# Altium PCB CL-HC-M-V2.1.PcbDoc (part 11 of 19) (continued)
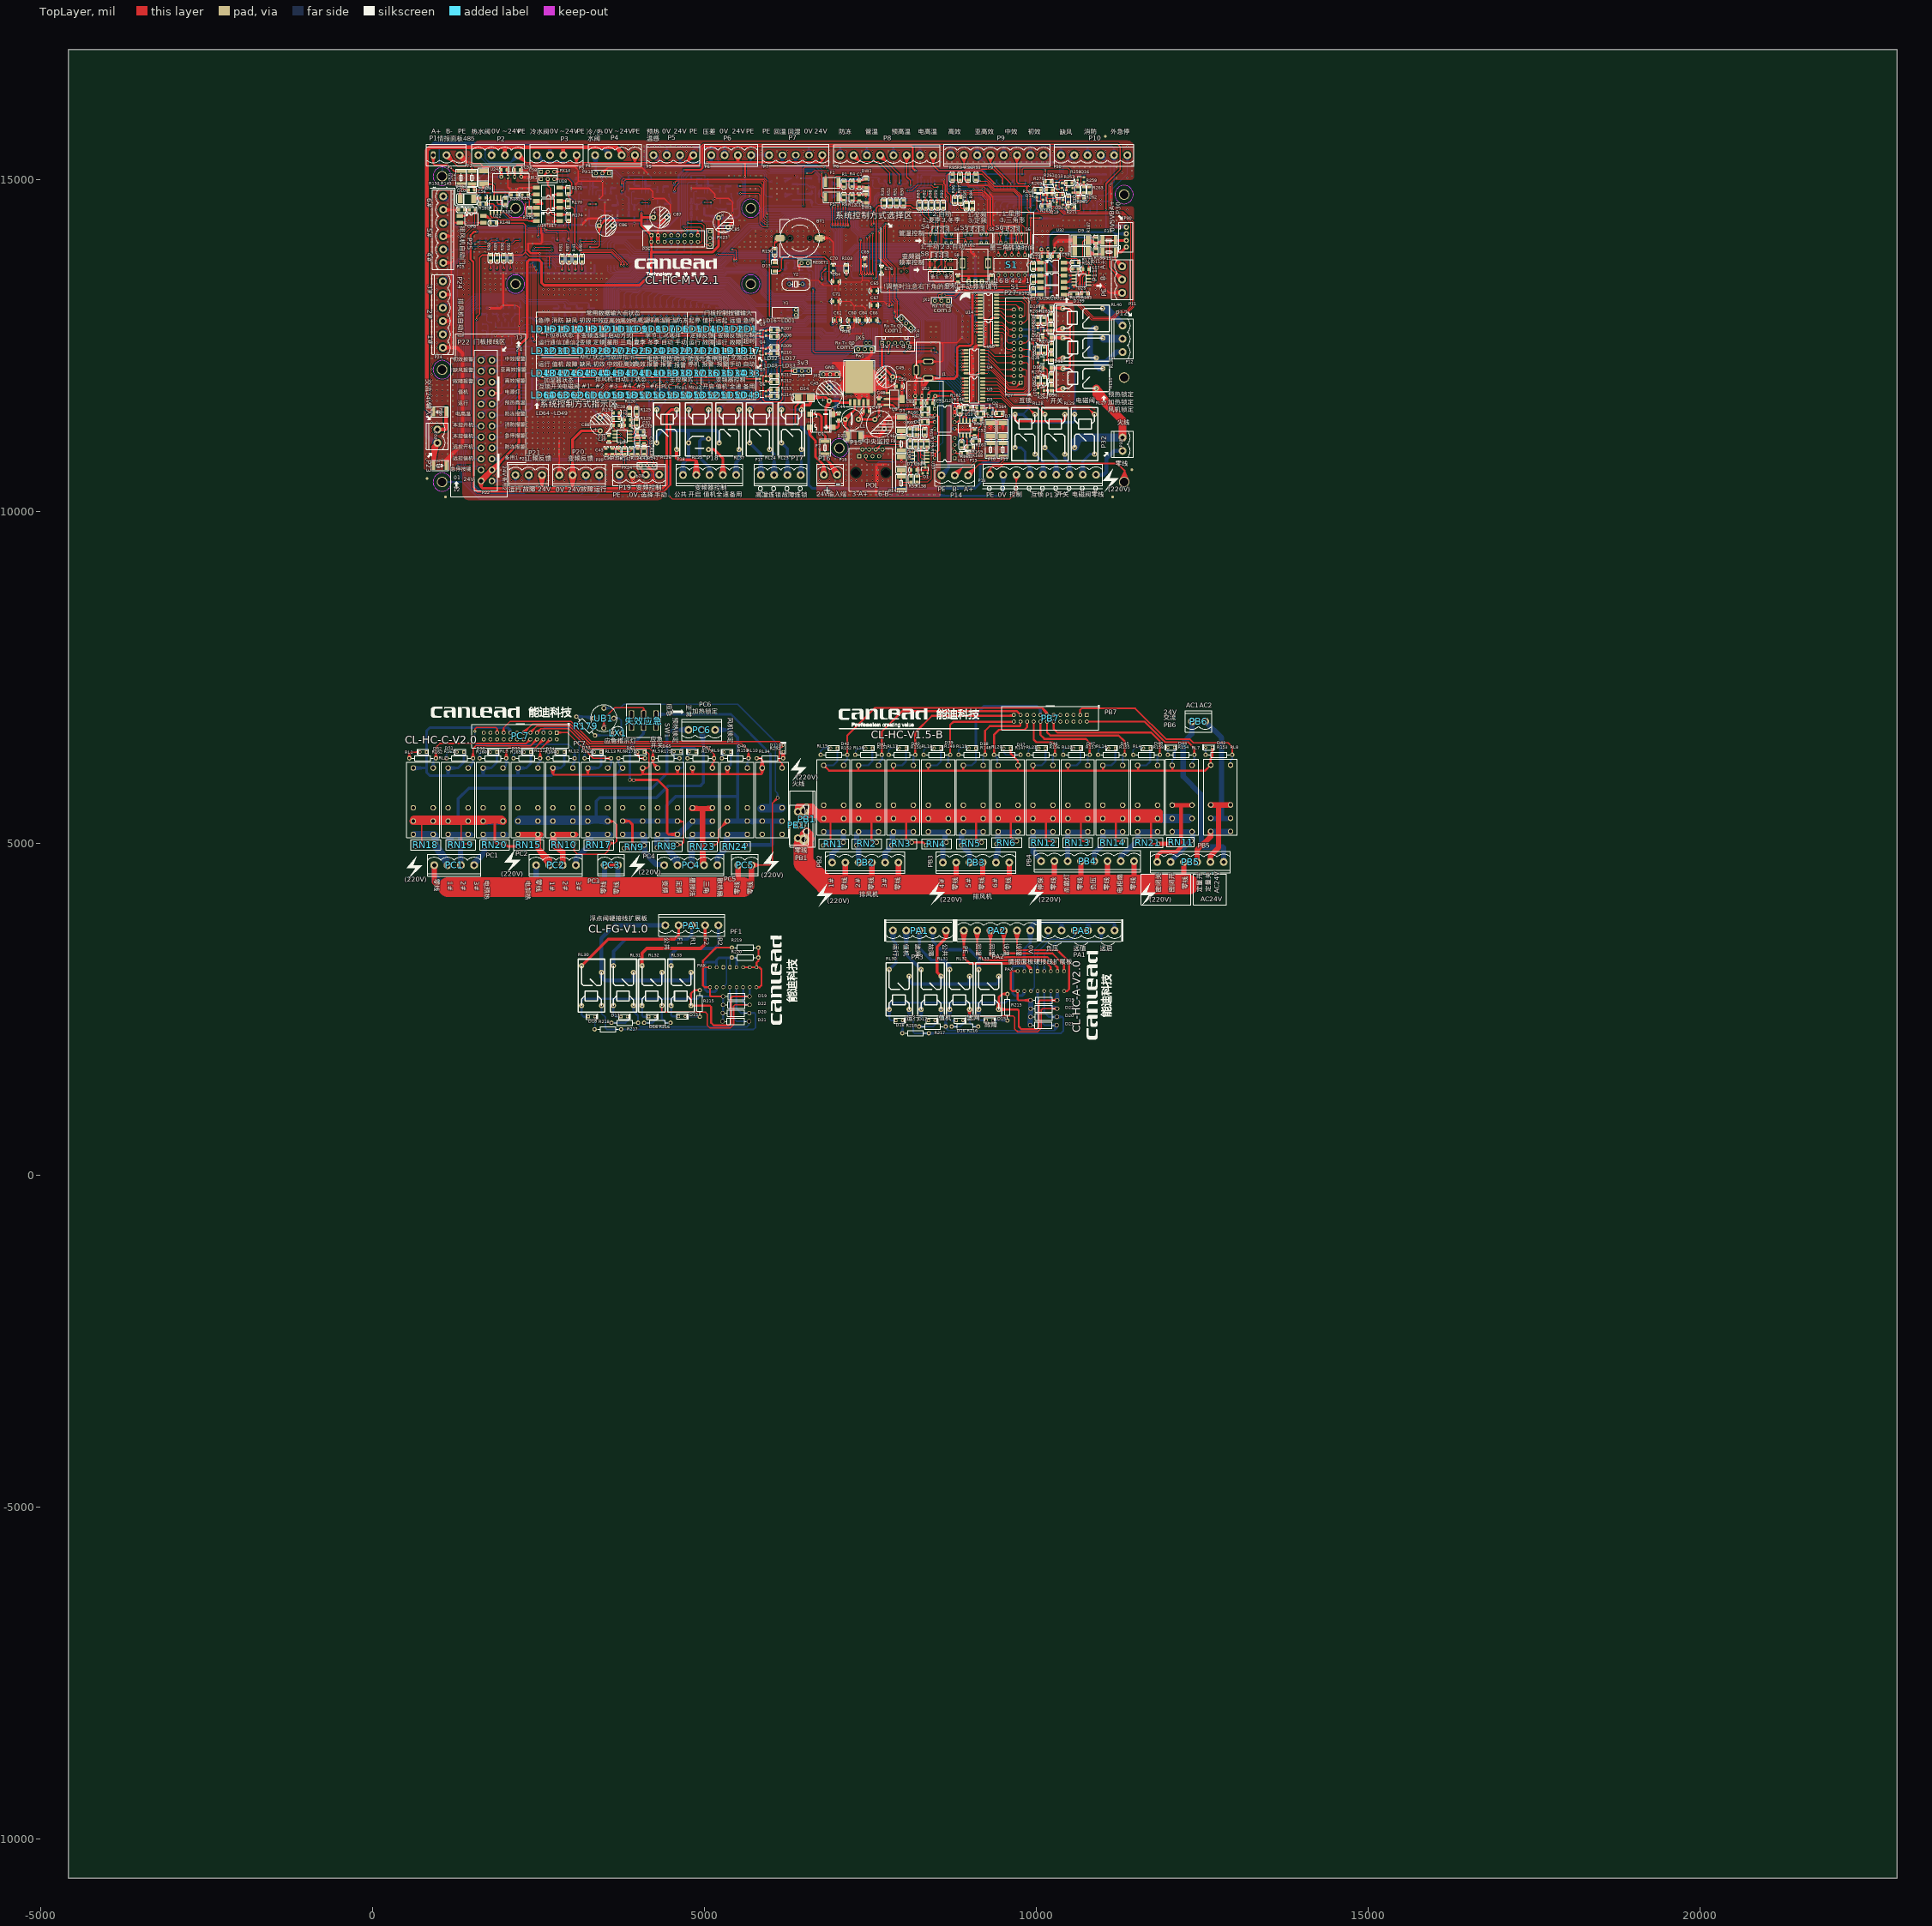
[diagram p0: TopLayer view]
## Nets (pads, with @x,y where several pads share a name; then routed paths per layer and width w, separated by ;. In a path a pad name is that pad's centre, name@x,y a point inside that pad or via, vN(x,y) a via of type N, cw(c..) or ccw(c..) an arc to the next point about the centre after c; other vN are vias at no path point) (continued)
; v1(9414.55,14484.74) v1(9451.13,14465.98) ; v1@9417.38,14483.36 9512.76,14483.36 ; v1@9417.38,14483.36 v1(9451.13,14465.98) ; v1(9451.13,14465.98) 9512.76,14483.36 ; 9451.13,15244.03 9931.13,15244.03 ; 9451.13,15244.03 v1(9451.13,15265.98) ; 9451.13,15244.03 v1(9451.13,15265.98) ; 9451.13,15244.03 v1(9451.13,15265.98) ; 9451.13,15244.03 v1(9531.13,15265.98) ; v1(9451.13,15265.98) 9535.9,15244.03 v1(9531.13,15265.98) ; v1(9451.13,15265.98) v1(9531.13,15265.98) ; 9512.76,14483.36 9691.13,14483.36 ; 9512.76,14483.36 v1(9531.13,14465.98) ; v1(9531.13,14465.98) 9611.45,14483.36 v1(9611.13,14465.98) ; v1(9531.13,14465.98) v1(9611.13,14465.98) ; v1(9531.13,15265.98) 9615.8,15244.03 v1(9611.13,15265.98) ; v1(9531.13,15265.98) v1(9611.13,15265.98) ; v1(9611.13,14465.98) 9612.76,14535.04 9612.76,14483.74 ; v1(9611.13,14465.98) 9612.76,14483.74 ; v1(9611.13,14465.98) 9612.76,14483.74 ; v1(9611.13,14465.98) 9690.4,14483.36 v1(9691.13,14465.98) ; v1(9611.13,14465.98) v1(9691.13,14465.98) ; v1(9691.13,14465.98) 9712.76,14493.9 ; v1(9691.13,14465.98) 9702.22,14483.36 ; v1(9691.13,14465.98) 9743.01,14483.36 ; v1(9691.13,14465.98) 9702.22,14483.36 ; v1(9691.13,14465.98) 9702.22,14483.36 ; v1(9691.13,14465.98) 9691.13,14483.36 ; v1(9691.13,14465.98) 9691.13,14483.36 ; 9691.13,14483.36 9702.22,14483.36 ; 9702.22,14483.36 9712.76,14493.9 ; 9702.22,14483.36 9743.01,14483.36 ; 9743.01,14483.36 9749.28,14489.63 ; v1(9771.13,15265.98) 9854.92,15244.03 v1(9851.13,15265.98) ; v1(9771.13,15265.98) v1(9851.13,15265.98) ; v1(9851.13,15265.98) 9931.13,15244.03 ; v1(9851.13,15265.98) v1(9931.13,15265.98) ; 9931.13,15244.03 10011.13,15244.03 ; 9931.13,15244.03 v1(9931.13,15265.98) ; 9931.13,15244.03 v1(9931.13,15265.98) ; 9931.13,15244.03 v1(9931.13,15265.98) ; 9931.13,15244.03 v1(10011.13,15265.98) ; v1(9931.13,15265.98) 10011.13,15244.03 ; v1(9931.13,15265.98) v1(10011.13,15265.98) ; 10011.13,15244.03 10290.85,15244.03 ; 10011.13,15244.03 v1(10011.13,15265.98) ; 10011.13,15244.03 v1(10011.13,15265.98) ; 10011.13,15244.03 v1(10011.13,15265.98) ; 10011.13,15244.03 v1(10091.13,15265.98) ; v1(10011.13,15265.98) 10095.55,15244.03 v1(10091.13,15265.98) ; v1(10011.13,15265.98) v1(10091.13,15265.98) ; 10028.13,12081.57 v1(10028.13,12182.72) ; 10028.13,12081.57 v1(10011.13,12145.98) v1(10028.13,12182.72) ; v1(10091.13,15265.98) 10175.21,15244.03 v1(10171.13,15265.98) ; v1(10091.13,15265.98) v1(10171.13,15265.98) ; v1(10171.13,15265.98) 10254.43,15244.03 v1(10251.13,15265.98) ; v1(10171.13,15265.98) v1(10251.13,15265.98) ; v1(10251.13,15265.98) 10290.85,15244.03 ; 10290.85,15244.03 10351.61,15183.27 10351.61,14926.53 ; 10613.86,14500.39 10625.9,14488.36 10896.22,14488.36 10913.86,14506 ; 10913.86,14506 OP1.9@10913.86,14573.5 10913.86,14668.85 ; 10913.86,14668.85 10922.16,14677.15 11104.36,14677.15 11115.41,14666.1 ; v1(11115.41,14574.45) 11115.41,14279.08 v1(11131.13,14305.98) ; v1(11115.41,14574.45) 11115.41,14666.1 ; v1(11115.41,14574.45) v1(11131.13,14625.98) 11115.41,14666.1 ; v1(11131.13,14305.98) 11115.41,14385.5 v1(11131.13,14385.98) ; v1(11131.13,14305.98) v1(11131.13,14385.98) ; 11173.71,14968.46 P10.5@11173.71,15369.03 11173.71,15470.33 ; 11173.71,14968.46 v1(11115.41,14910.16) v1(11131.13,14945.98) 11173.71,14968.46
  BottomLayer w30: OP5.15@1827.76,13670.04 1827.76,13607.11 ; OP5.15@1827.76,13700.04 1827.76,13607.11 ; OP5.13@1927.76,13689.39 v1(1931.13,13585.98) ; OP5.13@1927.76,13700.04 1927.76,13593.99 1927.76,13670.04 v1(1931.13,13585.98) ; 1987.98,13590.55 v1(2091.13,13585.98) ; 1988.65,13591.83 v1(2091.13,13585.98) ; OP5.11@2027.76,13695.36 v1(2011.13,13585.98) ; OP5.11@2027.76,13700.04 2027.76,13597.11 ; OP5.9@2127.76,13670.04 2127.76,13593.99 ; OP5.9@2127.76,13700.04 2127.76,13593.99 ; R157.2@2142.5,13065.24 v1(2142.5,13106.58) ; 2146.71,13593.99 v1(2251.13,13585.98) 2355.78,13593.99 ; U2.8@2362.38,12920.5 2411.24,12920.5 ; 2465.23,11708.7 v1(2491.13,11825.98) ; 2465.23,11783.84 v1(2491.13,11665.98) 2465.23,11630.17 ; 2465.23,11868.03 v1(2491.13,11985.98) ; 2465.23,11942.94 v1(2491.13,11825.98) ; v1@2482.38,12870.5 2587.38,12870.5 v1(2491.13,12865.98) ; 2521.01,13788.36 v1(2521.01,13890.86) 2521.01,13725.79 ; U25.8@2532.38,11616.61 2478.79,11616.61 ; U8.8@2532.38,12086.08 2477.61,12086.08 ; 2546.69,13593.99 v1(2651.13,13585.98) ; U25.8@2557.38,11616.61 2478.79,11616.61 ; U8.8@2557.38,12086.08 2477.61,12086.08 ; U28.15@2567.69,13738.36 2533.58,13738.36 ; U28.15@2592.69,13738.36 2533.58,13738.36 ; U2.10@2594,12870.5 v1(2491.13,12865.98) ; 2626.54,13593.99 v1(2731.13,13585.98) ; U2.10@2628,12870.5 v1(2731.13,12865.98) ; R255.2@2717.76,12973.25 v1(2731.13,12865.98) ; v1(2725.75,14374.76) 2725.75,14333.2 ; 2783.09,14320.16 v1(2891.13,14305.98) ; 2786.62,13593.99 v1(2891.13,13585.98) ; 2805.3,12788.15 v1(2731.13,12865.98) ; R254.2@2902.76,12980.04 2927.06,12922.96 ; OP4.15@2902.76,13670.04 2902.76,13611.28 OP4.15@2902.76,13700.04 ; OP7.2@2927.06,12825.09 2927.06,12773.81 OP7.2@2927.06,12855.09 2927.06,12922.96 ; OP7.2@2927.06,12885.09 2927.06,12922.96 ; 2946.62,13593.99 v1(3051.13,13585.98) ; 2999.53,14320.16 v1(2891.13,14305.98) ; OP4.13@3002.76,13670.04 3002.76,13611.28 OP4.13@3002.76,13700.04 ; OP7.4@3027.06,12825.09 3027.06,12772.37 OP7.4@3027.06,12855.09 ; OP4.11@3102.76,13670.04 3102.76,13611.28 OP4.11@3102.76,13700.04 ; OP7.6@3127.06,12825.09 3127.06,12788.34 OP7.6@3127.06,12855.09 3127.06,12926.84 ; OP7.6@3127.06,12885.09 3127.06,12926.84 ; C22.2@3152.74,14412.71 v1(3152.74,14320.16) ; C22.2@3152.74,14417.71 v1(3152.74,14320.16) ; R253.2@3162.76,12980.04 3127.06,12926.84 ; R253.2@3167.76,12980.04 3167.76,12967.54 3127.06,12926.84 ; 3186.62,13593.99 v1(3291.13,13585.98) ; OP4.9@3201.36,13691.19 v1(3211.13,13585.98) ; OP4.9@3201.36,13696.33 3201.36,13607.57 ; OP7.8@3227.06,12825.09 3185.31,12771.07 ; U26.8@3342.74,13685.04 3342.74,13603.17 ; U26.8@3342.74,13710.04 3342.74,13603.17 ; C19.1@3347.74,14417.71 v1(3445.29,14417.71) 3692.58,14417.71 ; 3347.76,12926.3 3298.27,12926.3 OP7.8@3227.06,12855.09 3227.06,12812.83 3185.31,12771.07 ; 3583.1,14417.71 v1(3692.74,14433.66) ; C86.2@3610.26,14329.94 3687.53,14341.02 ; C86.2@3631.45,14286.72 3687.53,14341.02 ; C24.2@3946.15,14433.57 v1(3946.15,14341.02) ; C24.2@3946.15,14438.57 v1(3946.15,14341.02) ; C20.1@4141.15,14433.57 4141.15,14341.02 ; C20.1@4141.15,14438.57 4141.15,14341.02 ; C87.2@4413.59,14447.41 4341.51,14341.02 ; C87.2@4447.9,14413.1 4341.51,14341.02 ; v1(6428.19,13637.37) C80.2@6477.64,13637.37 ; 7636.55,10237.6 v1(7746.22,10254.24) ; 7696.01,10237.6 v1(7586.22,10254.24) ; OP3.15@7712.38,14577.24 7712.38,14530.65 ; OP3.15@7712.38,14607.24 7712.38,14530.65 ; OP3.13@7812.38,14577.24 7812.38,14510.36 ; OP3.13@7812.38,14607.24 7812.38,14510.36 ; 7876.1,10237.6 v1(7986.22,10254.24) ; OP3.11@7912.38,14577.24 7912.38,14509.83 ; OP3.11@7912.38,14607.24 7912.38,14509.83 ; 7936.94,10237.6 v1(7826.22,10254.24) ; 7955.92,10237.6 v1(8066.22,10254.24) ; OP3.9@8012.38,14577.24 8012.38,14507.33 ; OP3.9@8012.38,14607.24 8012.38,14507.33 ; 8115.75,10237.6 v1(8226.22,10254.24) ; 8173.5,14505.62 8014.08,14505.62 ; 8176.92,10237.6 v1(8066.22,10254.24) ; 8195.7,10237.6 v1(8306.22,10254.24) ; 8355.64,10237.6 v1(8466.22,10254.24) ; 8416.89,10237.6 v1(8306.22,10254.24) ; 8435.62,10237.6 v1(8546.22,10254.24) ; S4.2@8484.02,14050.08 S4.2@8484.02,14180 8484.02,14285.66 ; 8639.24,14115.47 8641.5,14113.21 ; S4.2@8641.5,14050.08 8641.5,14113.21 ; 8641.5,14200.76 v1(8651.13,14305.98) 8641.5,14285.66 S4.2@8641.5,14180 8641.5,14113.21 ; 8656.85,10237.6 v1(8546.22,10254.24) ; S5.2@9014.02,14050.08 9014.02,14115.47 ; S5.2@9014.02,14180 9014.02,14115.47 ; R102.2@9065.11,13472.24 9082.56,13593.49 ; R102.2@9082.56,13463.49 v1(9082.56,13845.41) ; R102.2@9082.56,13470.99 9082.56,13593.49 ; R102.2@9100.02,13472.24 9082.56,13593.49 ; S5.2@9171.5,14050.08 9171.5,14113.21 ; S5.2@9171.5,14180 9171.5,14113.21 ; P13.2@9458.64,10547.15 9502.22,10404.61 P13.2@9545.79,10547.15 ; P13.2@9502.22,10553.66 9502.22,10291.86 9447.96,10237.6 7746.22,10237.6 ; S6.2@9544.02,14050.08 9544.02,14115.47 ; S6.2@9544.02,14180 9544.02,14115.47 ; S6.2@9701.5,14050.08 9701.5,14113.21 ; S6.2@9701.5,14180 9701.5,14113.21 ; S1.9@9732.76,13565.04 9732.76,13489.14 9732.12,13488.5 ; P27.17@9766.03,12743.88 10064.32,12743.88 10151.97,12743.88 ; S1.10@9832.76,13565.04 10082.58,13565.04 10179.23,13565.04 10208.99,13535.28 v1(10208.99,13364.31) ; 1827.76,13607.11 v1@1844.32,13590.55 ; 1827.76,13607.11 v1(1851.13,13585.98) ; v1@1844.32,13590.55 v1@1970.4,13590.55 ; v1@1844.32,13590.55 v1(1931.13,13585.98) ; v1(1851.13,13585.98) 1954.06,13590.55 v1(1931.13,13585.98) ; v1(1851.13,13585.98) 1953.61,13591.85 v1(1931.13,13585.98) ; v1(1851.13,13585.98) 1867.82,13590.55 ; v1(1851.13,13585.98) v1(1931.13,13585.98) ; v1(1851.13,13585.98) v1(1931.13,13585.98) ; 1867.82,13590.55 v1(1970.4,13592.11) ; 1867.82,13590.55 v1(1931.13,13585.98) ; v1(1931.13,13585.98) v1@1970.4,13590.55 ; v1(1931.13,13585.98) v1(1970.4,13592.11) ; v1@1970.4,13590.55 2124.32,13590.55 v1(2091.13,13585.98) ; v1@1970.4,13590.55 v1(2011.13,13585.98) ; v1(1970.4,13592.11) 2072.98,13590.55 ; v1(1970.4,13592.11) v1(2011.13,13585.98) ; v1(2011.13,13585.98) 2027.76,13597.11 ; v1(2011.13,13585.98) 2027.76,13670.04 2027.76,13597.11 ; v1(2011.13,13585.98) 2027.76,13597.11 ; v1(2011.13,13585.98) 2114.28,13590.55 v1(2091.13,13585.98) ; v1(2011.13,13585.98) 2072.98,13590.55 ; v1(2011.13,13585.98) v1(2091.13,13585.98) ; v1(2011.13,13585.98) v1(2091.13,13585.98) ; 2072.98,13590.55 v1(2091.13,13585.98) ; 2072.98,13590.55 v1(2091.13,13585.98) ; 2127.76,13593.99 2251.13,13593.99 2521.01,13593.99 ; U2.8@2387.38,12920.5 2411.24,12920.5 ; U2.8@2387.38,12920.5 2461.24,12870.5 ; U2.8@2387.38,12920.5 2411.24,12920.5 ; 2411.24,12920.5 2461.24,12870.5 ; v1(2412.27,14038.36) U28.8@2342.69,14038.36 v1(2412.27,14038.36) ; v1(2412.27,14038.36) 2367.69,14038.36 v1(2412.27,14038.36) ; 2461.24,12870.5 2481.24,12870.5 U2.10@2612.38,12870.5 2712.56,12870.5 ; 2461.24,12870.5 v1(2491.13,12865.98) ; 2465.23,11630.17 2478.79,11616.61 ; 2465.23,11630.17 2465.23,11985.98 ; 2465.23,11985.98 2465.23,12073.69 ; 2465.23,11985.98 v1(2491.13,11905.98) ; 2465.23,11985.98 v1(2491.13,11985.98) ; 2465.23,11985.98 v1(2491.13,11985.98) ; 2465.23,11985.98 v1(2491.13,11985.98) ; 2465.23,12073.69 2477.61,12086.08 ; 2465.23,12073.69 v1(2491.13,11985.98) ; v1(2491.13,11825.98) v1(2491.13,11905.98) ; v1(2491.13,11825.98) 2465.23,11788.27 v1(2491.13,11905.98) ; v1(2491.13,11905.98) v1(2491.13,11985.98) ; 2521.01,13593.99 2521.01,13725.79 ; 2521.01,13593.99 v1@2731.13,13593.99 ; 2521.01,13725.79 2533.58,13738.36 ; v1(2651.13,13585.98) v1@2731.13,13593.99 ; v1(2651.13,13585.98) v1(2731.13,13585.98) ; 2712.56,12870.5 v2(2715.16,12925.27) ; 2712.56,12870.5 2637.38,12870.5 v1(2731.13,12865.98) ; 2712.56,12870.5 v1(2731.13,12865.98) ; 2712.56,12870.5 v1(2731.13,12865.98) ; 2712.56,12870.5 v1(2731.13,12865.98) ; v2(2715.16,12925.27) R255.2@2717.76,12980.04 ; v2(2715.16,12925.27) R255.2@2717.76,12980.04 ; v2(2715.16,12925.27) 2717.76,12875.7 ; v2(2715.16,12925.27) v1(2731.13,12865.98) ; v2(2715.16,12925.27) v1(2731.13,12865.98) ; 2717.76,12875.7 R255.2@2717.76,12980.04 ; 2717.76,12875.7 2822.38,12771.07 3185.31,12771.07 ; 2717.76,12875.7 v1(2731.13,12865.98) ; 2717.76,12875.7 v1(2731.13,12865.98) ; 2717.76,12875.7 v1(2731.13,12865.98) ; 2725.75,14333.2 2738.78,14320.16 ; 2725.75,14333.2 v1(2731.13,14305.98) ; v1(2731.13,13585.98) 2835.65,13593.99 v1(2811.13,13585.98) ; v1(2731.13,13585.98) v1(2811.13,13585.98) ; v1@2731.13,13593.99 v1@2891.13,13593.99 ; v1@2731.13,13593.99 v1(2811.13,13585.98) ; v1(2731.13,14305.98) 2738.78,14320.16 ; v1(2731.13,14305.98) 2839.72,14320.16 v1(2811.13,14305.98) ; v1(2731.13,14305.98) 2738.78,14320.16 ; v1(2731.13,14305.98) v1(2811.13,14305.98) ; 2738.78,14320.16 v1(3152.74,14320.16) ; 2738.78,14320.16 v1(2811.13,14305.98) ; v1(2811.13,13585.98) v1@2891.13,13593.99 ; v1(2811.13,13585.98) v1(2891.13,13585.98) ; v1(2811.13,14305.98) 2919.65,14320.16 v1(2891.13,14305.98) ; v1(2811.13,14305.98) v1(2891.13,14305.98) ; v1(2891.13,13585.98) 2995.65,13593.99 v1(2971.13,13585.98) ; v1(2891.13,13585.98) v1(2971.13,13585.98) ; v1@2891.13,13593.99 v1@3051.13,13593.99 ; v1@2891.13,13593.99 v1(2971.13,13585.98) ; 2897.76,12952.26 R254.2@2897.76,12980.04 2897.76,12952.26 ; 2897.76,12952.26 2927.06,12922.96 ; v1(2971.13,13585.98) v1@3051.13,13593.99 ; v1(2971.13,13585.98) v1(3051.13,13585.98) ; v1(3051.13,13585.98) v1@3131.13,13593.99 ; v1(3051.13,13585.98) v1(3131.13,13585.98) ; v1@3051.13,13593.99 v1@3131.13,13593.99 ; v1@3051.13,13593.99 v1(3131.13,13585.98) ; v1(3131.13,13585.98) 3235.65,13593.99 v1(3211.13,13585.98) ; v1(3131.13,13585.98) v1(3211.13,13585.98) ; v1@3131.13,13593.99 v1@3291.13,13593.99 ; v1@3131.13,13593.99 v1(3211.13,13585.98) ; 3201.36,13607.57 3202.76,13670.04 v1(3211.13,13585.98) ; 3201.36,13607.57 v1(3211.13,13585.98) ; 3201.36,13607.57 v1(3211.13,13585.98) ; v1(3211.13,13585.98) v1@3291.13,13593.99 ; v1(3211.13,13585.98) v1(3291.13,13585.98) ; v1(3291.13,13585.98) 3333.56,13593.99 ; v1@3291.13,13593.99 3333.56,13593.99 ; 3333.56,13593.99 3342.74,13603.17 ; 3687.53,14341.02 3651.8,14341.02 C86.2@3617.44,14306.66 3687.53,14341.02 ; 3687.53,14341.02 v1(3946.15,14341.02) ; 3687.53,14341.02 3692.74,14346.23 3692.74,14417.87 ; 3692.58,14417.71 3692.74,14417.87 ; 3692.58,14417.71 v1(3692.74,14433.66) ; 3692.58,14417.71 v1(3692.74,14433.66) ; 3692.74,14417.87 v1(3692.74,14433.66) ; 3692.74,14417.87 v1(3692.74,14433.66) ; v1(3692.74,14433.66) C5.2@3692.74,14531.21 v1(3691.13,14465.98) v1(3692.74,14433.66) ; v1(3946.15,14341.02) 4141.15,14341.02 ; 4141.15,14341.02 4341.51,14341.02 ; 4341.51,14341.02 C87.2@4432.38,14431.89 ; 4341.51,14341.02 C87.2@4432.38,14431.89 ; C87.2@4432.38,14431.89 v1(4486.15,14485.66) ; C87.2@4432.38,14431.89 v1(4486.15,14485.66) ; v1(4486.15,14485.66) C7.2@4486.15,14552.07 v1(4486.15,14485.66) ; v1(4486.15,14485.66) 4418.13,14451.66 v1(4486.15,14485.66) ; v1(4486.15,14485.66) 4452.15,14417.64 v1(4486.15,14485.66) ; v1(7586.22,10254.24) 7602.87,10237.6 ; v1(7586.22,10254.24) v1(7666.22,10254.24) ; v1(7586.22,10254.24) 7602.87,10237.6 ; v1(7586.22,10254.24) 7602.87,10237.6 ; 7602.87,10237.6 7746.22,10237.6 ; 7602.87,10237.6 v1(7666.22,10254.24) ; v1(7666.22,10254.24) 7746.22,10237.6 ; v1(7666.22,10254.24) v1(7746.22,10254.24) ; 7712.38,14530.65 7737.41,14505.62 7817.11,14505.62 ; 7746.22,10237.6 v1(7746.22,10254.24) ; 7746.22,10237.6 v1(7746.22,10254.24) ; 7746.22,10237.6 v1(7746.22,10254.24) ; 7746.22,10237.6 v1(7826.22,10254.24) ; v1(7746.22,10254.24) 7856.94,10237.6 v1(7826.22,10254.24) ; v1(7746.22,10254.24) v1(7826.22,10254.24) ; 7812.38,14510.36 7817.11,14505.62 ; 7817.11,14505.62 7916.59,14505.62 ; v1(7826.22,10254.24) v1(7906.22,10254.24) ; v1(7826.22,10254.24) 7796.43,10237.6 v1(7906.22,10254.24) ; v1(7906.22,10254.24) 8016.93,10237.6 v1(7986.22,10254.24) ; v1(7906.22,10254.24) v1(7986.22,10254.24) ; 7912.38,14509.83 7916.59,14505.62 ; 7916.59,14505.62 8014.08,14505.62 ; v1(7986.22,10254.24) 8096.92,10237.6 v1(8066.22,10254.24) ; v1(7986.22,10254.24) v1(8066.22,10254.24) ; 8012.38,14507.33 8014.08,14505.62 ; v1(8066.22,10254.24) v1(8146.22,10254.24) ; v1(8066.22,10254.24) 8035.82,10237.6 v1(8146.22,10254.24) ; v1(8146.22,10254.24) 8256.91,10237.6 v1(8226.22,10254.24) ; v1(8146.22,10254.24) v1(8226.22,10254.24) ; v1(8226.22,10254.24) 8336.9,10237.6 v1(8306.22,10254.24) ; v1(8226.22,10254.24) v1(8306.22,10254.24) ; v1(8306.22,10254.24) v1(8386.22,10254.24) ; v1(8306.22,10254.24) 8275.67,10237.6 v1(8386.22,10254.24) ; v1(8386.22,10254.24) 8496.88,10237.6 v1(8466.22,10254.24) ; v1(8386.22,10254.24) v1(8466.22,10254.24) ; v1(8466.22,10254.24) 8576.87,10237.6 v1(8546.22,10254.24) ; v1(8466.22,10254.24) v1(8546.22,10254.24) ; 9014.02,14115.47 9169.24,14115.47 9171.5,14113.21 ; 9432.76,13503.28 9447.54,13488.5 ; 9432.76,13503.28 S1.6@9432.76,13565.04 v1(9451.13,13505.98) ; 9432.76,13503.28 v1(9451.13,13505.98) ; 9432.76,13503.28 v1(9451.13,13505.98) ; 9447.54,13488.5 9531.86,13488.5 ; 9447.54,13488.5 v1(9451.13,13505.98) ; 9447.54,13488.5 v1(9451.13,13505.98) ; 9447.54,13488.5 v1(9531.13,13505.98) ; v1(9451.13,13505.98) 9531.86,13488.5 ; v1(9451.13,13505.98) v1(9531.13,13505.98) ; v1(9531.13,13505.98) 9532.76,13489.41 ; v1(9531.13,13505.98) 9531.86,13488.5 ; v1(9531.13,13505.98) 9531.86,13488.5 ; v1(9531.13,13505.98) 9631.99,13488.5 ; v1(9531.13,13505.98) 9531.86,13488.5 ; v1(9531.13,13505.98) S1.7@9532.76,13565.04 9532.76,13489.41 ; v1(9531.13,13505.98) 9532.76,13489.41 ; v1(9531.13,13505.98) 9531.86,13488.5 ; v1(9531.13,13505.98) v1(9611.13,13505.98) ; 9531.86,13488.5 9532.76,13489.41 ; 9531.86,13488.5 9631.99,13488.5 ; 9531.86,13488.5 v1(9611.13,13505.98) ; 9544.02,14115.47 9699.24,14115.47 9701.5,14113.21 ; v1(9611.13,13505.98) 9632.76,13489.28 ; v1(9611.13,13505.98) 9631.99,13488.5 ; v1(9611.13,13505.98) S1.8@9632.76,13565.04 9632.76,13489.28 ; v1(9611.13,13505.98) 9632.76,13489.28 ; v1(9611.13,13505.98) 9631.99,13488.5 ; v1(9611.13,13505.98) 9631.99,13488.5 ; v1(9611.13,13505.98) 9721.18,13488.5 v1(9691.13,13505.98) ; v1(9611.13,13505.98) 9631.99,13488.5 ; v1(9611.13,13505.98) v1(9691.13,13505.98) ; 9631.99,13488.5 9632.76,13489.28 ; 9631.99,13488.5 9732.12,13488.5 ; 9631.99,13488.5 v1(9691.13,13505.98) ; v1(9691.13,13505.98) 9732.12,13488.5 ; R156.2@1970.4,13065.36 v1(1970.4,13106.7) R156.2@1970.4,13065.36 ; DW4.A@7356.7,14790.56 DW4.A@7358.04,14789.21 DW3.A@7356.7,14887.02 DW4.A@7356.7,14790.56
  BottomLayer w31.5: 8070.43,12724.24 JX4.1@8111.34,12765.15
  BottomLayer w40: R155.2@1799.26,13065.36 R155.2@1799.14,13065.24 ; PAX.4@5184.49,2832.67 5184.49,2790.58 5159.7,2765.79 5042.19,2765.79 5011.28,2796.7 5011.28,3199.33 5022.38,3210.43 5184.49,3210.43 ; PAX.3@5184.49,3132.67 5184.49,3210.43 ; PAX.9@5484.49,3132.67 5484.49,3255.37 5464.49,3275.37 5384.49,3275.37 5334.49,3275.37 5216.96,3275.37 5184.49,3242.9 5184.49,3210.43 ; PAX.3@9820.16,3075.27 9820.16,3153.03 ; PA2.1@9871.86,3682.61 9910.68,3507.81 ; PA2.1@9877.34,3707.21 9961.01,3806.87 ; PA2.1@9948.56,3677.34 9961.01,3806.87 ; PA2.1@9949.51,3682.61 9910.68,3507.81 ; PA3.2@10342.51,3693.42 10381.01,3803.25 ; 10367.39,3806.87 9961.01,3806.87 ; PA3.2@10381.01,3686.87 10381.01,3803.25 ; PA3.2@10419.52,3693.42 10381.01,3803.25 ; PA3.4@10742.54,3693.57 10781.01,3800.62 ; PA3.4@10781.01,3686.87 10781.01,3800.62 ; PA3.4@10819.49,3693.57 10781.01,3800.62 ; PA3.6@11142.71,3694.49 11181.01,3786.87 ; PA3.6@11181.01,3686.87 11181.01,3786.87 ; PA3.6@11219.32,3694.49 11181.01,3786.87 ; 11227.72,14284.99 v1(11371.13,14305.98) ; R154.2@1721.9,13065.24 R155.2@1799.14,13065.24 ; R154.2@1721.9,13065.24 R155.2@1794.26,13065.36 ; R154.2@1721.9,13065.24 v1(1762.26,13063.58) ; R154.2@1721.9,13065.24 v1(1762.26,13063.58) ; R154.2@1726.9,13065.24 R155.2@1799.14,13065.24 ; R154.2@1726.9,13065.24 R155.2@1794.26,13065.36 ; R154.2@1726.9,13065.24 v1(1762.26,13063.58) ; R154.2@1726.9,13065.24 v1(1762.26,13063.58) ; v1(1762.26,13063.58) R155.2@1799.14,13065.24 ; v1(1762.26,13063.58) R155.2@1794.26,13065.36 ; v1(1762.26,13063.58) R155.2@1799.14,13065.24 ; v1(1762.26,13063.58) R155.2@1794.26,13065.36 ; 9795.38,2708.39 9820.16,2733.18 ; 9795.38,2708.39 9677.87,2708.39 9646.96,2739.3 9646.96,3141.93 9658.05,3153.03 9820.16,3153.03 ; 9795.38,2708.39 PAX.4@9820.16,2775.27 ; 9820.16,2733.18 PAX.4@9820.16,2775.27 ; 9820.16,2733.18 PAX.4@9820.16,2775.27 ; 9820.16,3153.03 9820.16,3407.12 9910.68,3497.65 PA2.1@9910.68,3686.87 ; 9910.68,3507.81 PA2.1@9910.68,3686.87 ; PA2.1@9910.68,3686.87 9910.68,3756.54 ; PA2.1@9910.68,3686.87 9961.01,3806.87 ; PA2.1@9910.68,3686.87 9910.68,3756.54 ; 9910.68,3756.54 9961.01,3806.87 ; 9910.68,3756.54 9873.2,3697.81 9910.68,3756.54 ; 9910.68,3756.54 9948.17,3697.81 9910.68,3756.54 ; 10381.01,3803.25 10377.39,3806.87 10774.76,3806.87 ; 10774.76,3806.87 10781.01,3800.62 ; 10774.76,3806.87 11161.01,3806.87 11181.01,3786.87 ; v1(11131.13,14305.98) 11152.13,14284.99 ; v1(11131.13,14305.98) 11274.57,14284.99 ; v1(11131.13,14305.98) 11152.13,14284.99 ; v1(11131.13,14305.98) v1(11211.13,14305.98) ; v1(11131.13,14305.98) v1(11291.13,14305.98) ; 11152.13,14284.99 P30.4@11356.69,14284.99 ; 11152.13,14284.99 v1(11211.13,14305.98) ; 11152.13,14284.99 v1(11291.13,14305.98) ; v1(11211.13,14305.98) P30.4@11354.03,14284.99 ; v1(11211.13,14305.98) 11274.57,14284.99 ; v1(11211.13,14305.98) v1(11291.13,14305.98) ; v1(11211.13,14305.98) v1(11291.13,14305.98) ; v1(11211.13,14305.98) v1(11371.13,14305.98) ; 11274.57,14284.99 v1(11291.13,14305.98) ; 11274.57,14284.99 v1(11291.13,14305.98) ; v1(11291.13,14305.98) P30.4@11356.69,14284.99 ; v1(11291.13,14305.98) P30.4@11354.03,14284.99 ; v1(11291.13,14305.98) v1(11371.13,14305.98) ; v1(11291.13,14305.98) v1(11371.13,14305.98) ; P30.4@11354.03,14284.99 v1(11371.13,14305.98) ; P30.4@11354.03,14284.99 v1(11371.13,14305.98) ; P30.4@11356.69,14284.99 v1(11371.13,14305.98) ; P30.4@11356.69,14284.99 v1(11371.13,14305.98)
  BottomLayer w60: pad.1@6929.54,11528.21 7002.43,11601.09 ; 7002.43,11613.89 v1(6971.13,11825.98) ; C45.2@6882.38,11866.61 6970.56,11866.61 ; C45.2@6882.38,11866.61 v1(6971.13,11825.98) ; C45.2@6882.38,11866.61 v1(6971.13,11905.98) ; 6970.56,11866.61 7002.43,11834.74 ; 6970.56,11866.61 v1(6971.13,11825.98) ; 6970.56,11866.61 v1(6971.13,11825.98) ; 6970.56,11866.61 v1(6971.13,11905.98) ; 6970.56,11866.61 v1(6971.13,11905.98) ; 6970.56,11866.61 v1(6971.13,11905.98) ; 6970.56,11866.61 v1(6971.13,11905.98) ; v1(6971.13,11745.98) 7002.43,11834.74 ; v1(6971.13,11745.98) 7002.43,11601.09 ; v1(6971.13,11745.98) v1(6971.13,11825.98) ; v1(6971.13,11825.98) 7002.43,11834.74 ; v1(6971.13,11825.98) 7002.43,11834.74 ; v1(6971.13,11825.98) 7002.43,11834.74 ; v1(6971.13,11825.98) v1(6971.13,11905.98) ; v1(6971.13,11825.98) v1(6971.13,11905.98) ; v1(6971.13,11905.98) 7002.43,11834.74 ; 7002.43,11601.09 7002.43,11834.74